# Altium PCB PCB1.PcbDoc
Units mil, origin at the board's own origin, x right, y up, seen from the top; angles counter-clockwise.
Board outline 6000 x 4000 mil, 2 copper layers (Top Layer, Bottom Layer); 21 components, 33 nets, 143 pads, 0 vias.
Unrouted connection lines stored in the file: 3.
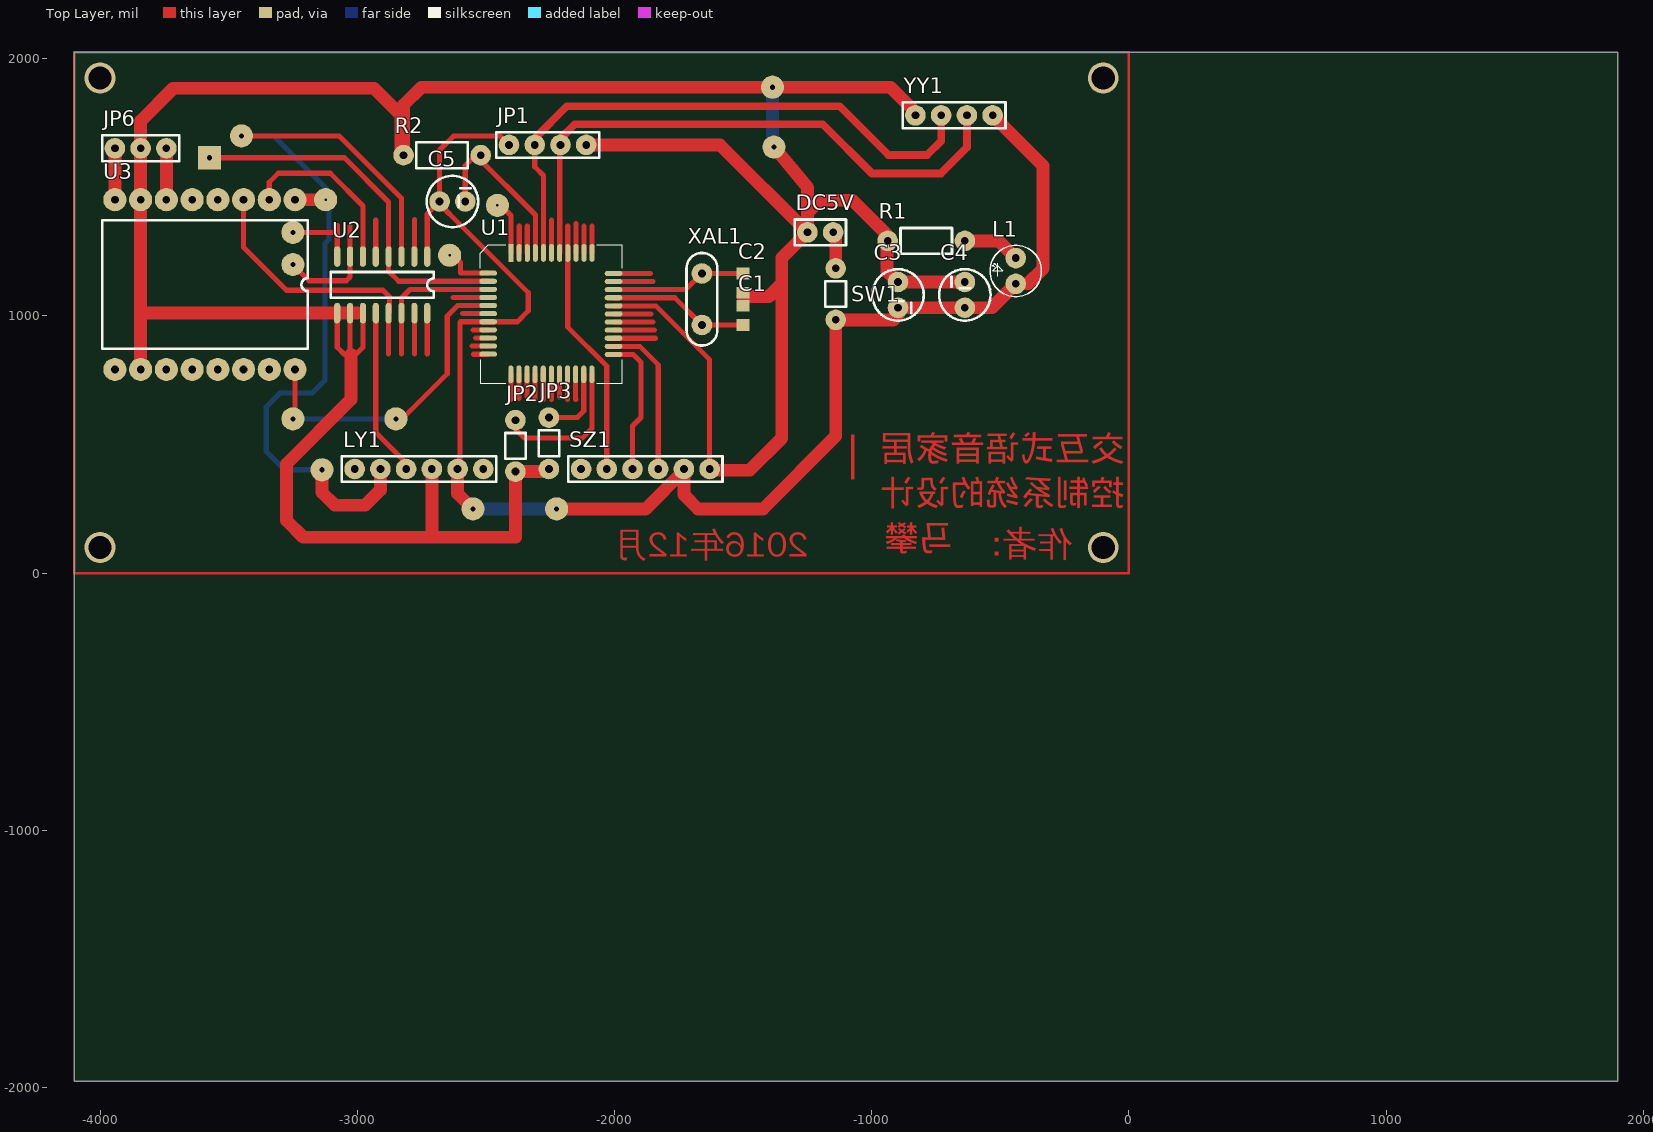
[diagram p0: Top Layer view]
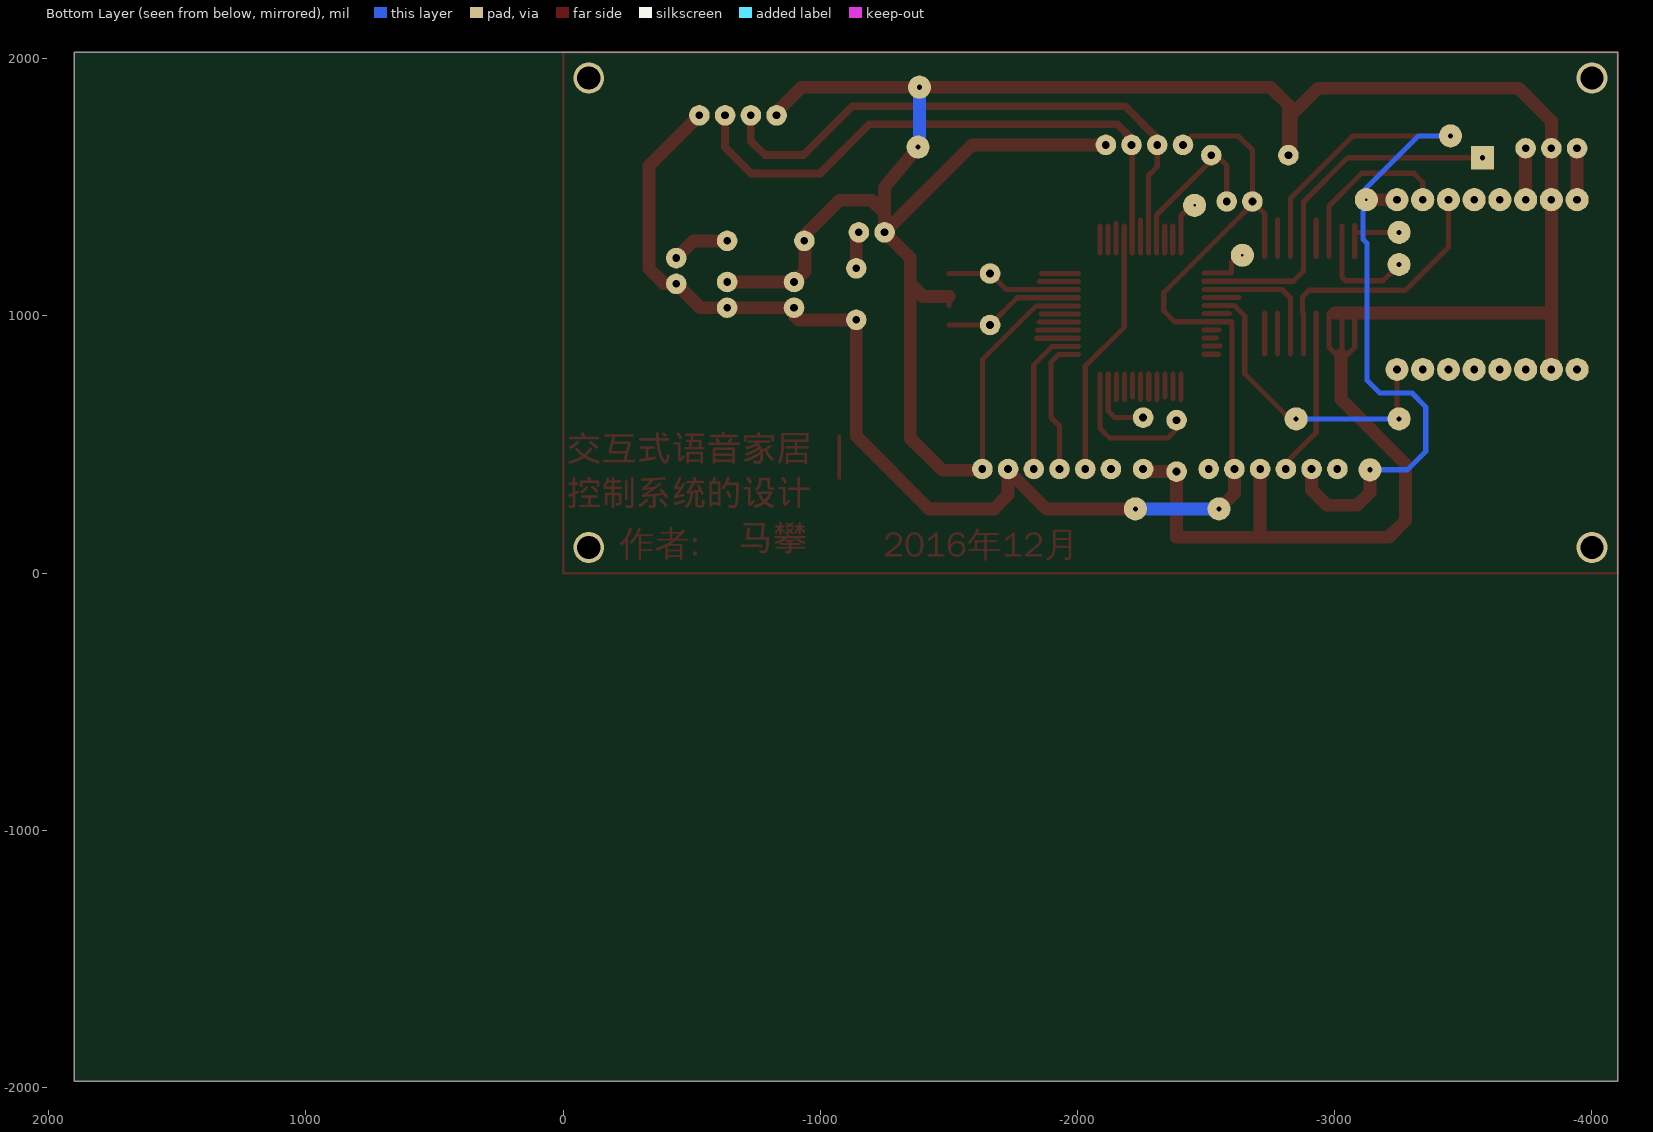
[diagram p1: Bottom Layer view, seen from below]

## Layer stack, top to bottom
Top Layer: signal copper 1.4
Dielectric: dielectric 12.6, FR-4, Dk 4.8
Bottom Layer: signal copper 1.4

## Board outline
-4100,-1975 1900,-1975 1900,2025 -4100,2025

## Design rules (kind name [scope] priority, off if disabled: settings)
Clearance [All] p1: gap=10
PolygonConnect [All] p1: connectstyle=Relief reliefconductorwidth=10 reliefentries=4 polygonreliefangle="90 Angle"
RoomDefinition Sheet1 [InComponentClass('Sheet1')] p1: confinementstyle=ConfineIn formatcopy=TRUE lockcomponents=FALSE outline 1950,-2000 2375,-2000 2375,-1500 1950,-1500
RoutingVias [All] p1: holewidth=28 width=50 viastyle="Through Hole" minholewidth=28 minwidth=50 maxholewidth=28 maxwidth=50
SilkscreenOverComponentPads [All] p1: minsilkscreentomaskgap=10
SolderMaskExpansion [All] p1: expansion=4
TestPointUsage [All] p1: valid=0 allowmultiple=FALSE
Testpoint [All] p1: side=15 testpointundercomponent=TRUE minsize=40 maxsize=100 preferedsize=60 minholesize=0 maxholesize=40 preferedholesize=32 testpointgrid=1 style=1023 order=0-112345678
Width [All] p1: maxlimit=50 minlimit=20 preferedwidth=30
23 further rules are at their usual default settings.

## Components (designator, comment, footprint, x,y, rotation, side; value= is the part's Value field where it differs from the comment)
C1 "CAP" 0805 -1500,965 r90 top
C2 "CAP" 0805 -1500,1165 r270 top
C3 "CAP+" CAP-100mil -898,1132 r270 top
C4 "CAP" CAP-100mil -638,1032 r90 top
C5 "CAP+" CAP-100mil -2680,1445 r0 top
DC5V "SIP-2" SIP-2 -1200,1325 r180 top
JP1 "SIP-4" SIP-4 -2260,1665 r90 top
JP2 "SIP-2" RES-200mil -2385,595 r270 top
JP3 "SIP-2" RES-200mil -2255,605 r270 top
JP6 "SIP-3" SIP-3 -3842,1652 r90 top
L1 "LED" LED -440,1125 r90 top
LY1 "SIP-6" SIP-6 -2760,405 r90 top
R1 "RES" RES-300mil -638,1292 r180 top
R2 "RES" RES-300mil -2520,1625 r180 top
SW1 "SIP-2" RES-200mil -1140,985 r90 top
SZ1 "SIP-6" SIP-6 -1880,405 r90 top
U1 "STC89C52RC" LQFP-44 -2400,1245 r0 top
U2 "CD4052" SO-16 -2900,1245 r270 top
U3 "MP3模块" DIP-16-660mil -3242,1452 r270 top
XAL1 "晶振" 晶振-200mil -1660,1165 r270 top
YY1 "SIP-4" SIP-4 -680,1780 r90 top

## Footprints (in the part's own frame and the unit in brackets; to place one, negate y for a bottom-side part, rotate by r counter-clockwise, add the part's x,y. Pads: shape width x height; smd on the part's side, far side on the other; paste and mask are expansions set on the pad)
0805 [mil]
  rect 45x50 smd: 1(0,0) 2(75,0)
CAP-100mil [mil]
  round 80 hole 30: 1(0,0) 2(100,0)
  silkscreen extent -50,-100 150,100
DIP-16-660mil [mil]
  round 90 hole 30: 1(0,0) 2(0,-100) 3(0,-200) 4(0,-300) 5(0,-400) 6(0,-500) 7(0,-600) 8(0,-700) 9(660,-700) 10(660,-600) 11(660,-500) 12(660,-400) 13(660,-300) 14(660,-200) 15(660,-100) 16(660,0)
  silkscreen extent 80,-750 580,50
LED [mil]
  round 80 hole 30: 1(0,0) 2(100,0)
  silkscreen extent -50,-100 150,100
LQFP-44 [mm]
  rect 0.5x1.75 smd: 1(-0.051,0)
  oval 0.5x1.75 smd: 2(0.749,0) 3(1.549,0) 4(2.349,0) 5(3.149,0) 6(3.949,0) 7(4.749,0) 8(5.549,0) 9(6.349,0) 10(7.149,0) 11(7.949,0) 23(7.924,-11.984) 24(7.124,-11.984) 25(6.324,-11.984) 26(5.524,-11.984) 27(4.724,-11.984) 28(3.924,-11.984) 29(3.124,-11.984) 30(2.324,-11.984) 31(1.524,-11.984) 32(0.724,-11.984) 33(-0.076,-11.984)
  oval 1.75x0.5 smd: 12(10.066,-2.022) 13(10.066,-2.822) 14(10.066,-3.622) 15(10.066,-4.422) 16(10.066,-5.222) 17(10.066,-6.022) 18(10.066,-6.822) 19(10.066,-7.622) 20(10.066,-8.422) 21(10.066,-9.222) 22(10.066,-10.022) 34(-2.318,-9.997) 35(-2.318,-9.197) 36(-2.318,-8.397) 37(-2.318,-7.597) 38(-2.318,-6.797) 39(-2.318,-5.997) 40(-2.318,-5.197) 41(-2.318,-4.397) 42(-2.318,-3.597) 43(-2.318,-2.797) 44(-2.318,-1.997)
  silkscreen extent -3.11,-12.86 10.94,0.79
RES-200mil [mil]
  round 80 hole 30: 1(0,0) 2(200,0)
  silkscreen extent 50,-40 150,40
RES-300mil [mil]
  round 80 hole 30: 1(0,0) 2(300,0)
  silkscreen extent 50,-50 250,50
SIP-2 [mil]
  round 80 hole 30: 1(-50,0) 2(50,0)
  silkscreen extent -100,-50 100,50
SIP-3 [mil]
  round 80 hole 30: 1(0,100) 2(0,0) 3(0,-100)
  silkscreen extent -50,-150 50,150
SIP-4 [mil]
  round 80 hole 30: 1(0,150) 2(0,50) 3(0,-50) 4(0,-150)
  silkscreen extent -50,-200 50,200
SIP-6 [mil]
  round 80 hole 30: 1(0,250) 2(0,150) 3(0,50) 4(0,-50) 5(0,-150) 6(0,-250)
  silkscreen extent -50,-300 50,300
SO-16 [mil]
  oval 80x24 smd: 1(14,172) 2(14,122) 3(14,72) 4(14,22) 5(14,-28) 6(14,-78) 7(14,-128) 8(14,-178) 9(234,-178) 10(234,-128) 11(234,-78) 12(234,-28) 13(234,22) 14(234,72) 15(234,122) 16(234,172)
  silkscreen extent 74,-203 174,197
晶振-200mil [mil]
  round 80 hole 30: 1(0,0) 2(200,0)
  silkscreen extent -80,-60 280,60

## Part data
U2 U3: library part DIP-16

## Free pads (board coordinates)
  rect 90x90 hole 20: 7(-3575,1615)
  round 90 hole 20: 8(-3450,1700) 10(-3250,1200) 11(-2850,600) 12(-3250,600) 13(-3137,402) 14(-2550,250) 15(-2225,250) 18(-3250,1325) 19(-1385.72,1889.28) 20(-1379.99,1656.65)
  round 120 hole 90: 21(-4000,100) 22(-4000,1925) 23(-100,1925) 24(-100,100)
  round 90 hole 10: 25(-3123,1452) 26(-2641,1236) 27(-2455,1430)

## Nets (pads, with @x,y where several pads share a name; then routed paths per layer and width w, separated by ;. In a path a pad name is that pad's centre, name@x,y a point inside that pad or via, vN(x,y) a via of type N, cw(c..) or ccw(c..) an arc to the next point about the centre after c; other vN are vias at no path point)
0X: U2.5 | length 141
  Top Layer w20: U2.5 -2928,1372
0Y: U2.16 | length 158
  Top Layer w20: -2728,853 U2.16
1X: LY1.2 pad.8 pad.13 U2.3 | length 3252.6
  Top Layer w20: pad.8 -3070,1700 -2828,1458 U2.3
  Top Layer w50: pad.13 -3137,314 -3087,264 -2970,264 -2910,324 LY1.2
  Bottom Layer w20: pad.8 -3325,1700 -3110,1485 -3110,1298.08 -3125,1283.08 -3125,750 -3175,700 -3300,700 -3354.04,645.96 -3354.04,473 -3283.04,402 pad.13
1Y: LY1.3 U2.12 | length 654.9
  Top Layer w20: U2.12 -2928,547 -2810,429 LY1.3
2X: U2.2 | length 144
  Top Layer w20: U2.2 -2778,1375
2Y: U2.15 | length 158
  Top Layer w20: -2778,853 U2.15
3X: U2.6 U3.2 | length 696.1
  Top Layer w20: U3.2 -3342,1520 -3307,1555 -3105,1555 -2978,1428 U2.6
3Y: U2.13 U3.3 | length 1054.8
  Top Layer w20: U3.3 -3442,1267 -3275,1100 -2900,1100 -2875,1075 -2875,1014 U2.13 -2878,853
GND: C1.2 C2.2 C3.1 C4.2 DC5V.2 JP1.4 JP2.2 JP3.2 JP6.2 LY1.4 pad.19 pad.20 R1.2 R2.2 SZ1.6 U1.16 U2.9 U2.10 U2.11 U3.7 U3.10 YY1.1 | length 13078.6
  Top Layer w20: JP6.2 JP6.2@-3842,1675 ; -3078,923.05 -3078,950 ; U2.9 -3078,950 ; U2.10 -3028,853 -3025,850 ; U2.11 -2978,947 -2978,878 -3006,850 -3025,850 ; R2.2@-2840,1625 -2830,1635 R2.2 ; LY1.4@-2720,395 LY1.4@-2710,385 ; JP2.2@-2367.5,377.5 JP2.2@-2350,395 ; U1.16 -1839.4,1039.4 -1630,830 SZ1.6 ; C1.2 -1500,1075 C2.2 C2.2@-1485,1090 ; -3078,950 -3078,878 -3050,850 -3025,850
  Top Layer w50: U3.10 -3842,1025 ; U2.9 -3828,1011 -3842,1025 ; U2.9@-3075,1011 U2.10 -3000,1011 ; -3025,850 -3025,675 -3275,425 -3275,205 -3210,140 -2700,140 ; R2.2@-2830,1635 -2830,1780 -2935,1885 -3715,1885 -3842,1758 JP6.2 U3.7 -3842,1050 -3842,1025 ; R2.2 -2820,1820 -2750.72,1889.28 pad.19 ; LY1.4 -2710,385 -2710,150 -2700,140 ; JP3.2 -2265,395 -2350,395 JP2.2 -2385,140 -2700,140 ; JP1.4 -1590,1665 DC5V.2 ; SZ1.6 -1625,400 -1475,400 -1350,525 -1350,1125 ; C2.2@-1500,1075 -1400,1075 -1350,1125 ; pad.20 -1250,1500 -1250,1400 ; pad.19@-1375,1900 pad.19 ; R1.2@-940,1280 -940,1174 C3.1 C4.2 ; R1.2 -938,1313 -1075,1450 -1200,1450 -1250,1400 ; YY1.1@-825,1787 -927.28,1889.28 pad.19 ; -1350,1125 -1350,1225 DC5V.2 ; DC5V.2 -1250,1400
  Bottom Layer w50: pad.19 -1385.72,1664.28 pad.20
NetC1_1: C1.1 U1.15 XAL1.2 | length 547.6
  Top Layer w20: U1.15 -1765.9,1070.9 XAL1.2 C1.1
NetC2_1: C2.1 U1.14 XAL1.1 | length 529.6
  Top Layer w20: U1.14 -1722.61,1102.39 XAL1.1 C2.1
NetDC5V_1: DC5V.1 SW1.2 | length 144.1
  Top Layer w50: DC5V.1 -1140,1315 SW1.2
NetJP6_1: JP6.1 U3.8 | length 200
  Top Layer w50: U3.8 JP6.1
NetJP6_3: JP6.3 U3.6 | length 200
  Top Layer w50: U3.6 JP6.3
NetL1_2: L1.2 R1.1 | length 225.8
  Top Layer w50: R1.1 -507,1292 L1.2
P10: pad.11 pad.12 U1.40 U3.16 | length 1232
  Top Layer w20: pad.12@-3242,608 U3.16 ; pad.11@-2825,600 -2650,775 -2650,1000 -2609.6,1040.4 U1.40
  Bottom Layer w20: pad.12 pad.11
P12: U1.42 U2.14 | length 567.6
  Top Layer w20: -2828,853 U2.14 -2828,1070 -2794.61,1103.39 U1.42
P13: pad.7 U1.43 U2.4 | length 1462.2
  Top Layer w20: pad.7 -3050,1615 -2878,1443 -2878,1375 ; -2878,1397 -2878,1375 ; U1.43 -2838.89,1134.89 -2878,1174 U2.4 -2878,1375
P14: pad.10 U1.44 U2.7 | length 786.2
  Top Layer w20: -3200,1150 pad.10 -3187,1137 -3043,1137 -3028,1152 U2.7 ; -3028,1172 U2.7 ; -3028,1350 U2.7 ; -2638,1247 -2598.5,1207.5 -2598.5,1166.39 U1.44
P15: pad.18 U1.1 U2.8 | length 520.8
  Top Layer w20: pad.18 -3078,1325 ; U2.8 -3078,1325 ; -3078,1352 -3078,1325 ; -2468,1430 -2441.57,1430 -2402,1390.43 -2402,1348 U1.1
P20: U1.18 | length 152.3
  Top Layer w20: U1.18 -1851.41,976.41
P21: U1.19 | length 159.7
  Top Layer w20: U1.19 -1844,944.91
P22: U1.20 | length 237.7
  Top Layer w20: U1.20 -1925,913.42 ; -1850,913.42 -1925,913.42 ; -1841,913.42 -1925,913.42
P23: SZ1.4 U1.21 | length 608.5
  Top Layer w20: U1.21 -1901.92,881.92 -1830,810 SZ1.4
P24: SZ1.3 U1.22 | length 548
  Top Layer w20: U1.22 -1927.42,850.42 -1897,820 -1897,605 -1930,572 SZ1.3
P25: JP2.1 U1.23 | length 573
  Top Layer w20: JP2.1 -2385,560 -2350,525 -2125,525 -2088.04,561.96 U1.23
P26: JP3.1 U1.24 | length 354.9
  Top Layer w20: -2189.07,605.47 -2254.53,605.47 JP3.1 -2145,605 -2119.53,630.47 U1.24
P27: U1.25 | length 98.6
  Top Layer w20: U1.25 -2151.03,676.03 -2150,675
P30: JP1.2 U1.5 YY1.2 | length 2291.5
  Top Layer w20: JP1.2@-2310,1690 -2310,1580 -2276.02,1546.02 U1.5
  Top Layer w30: JP1.2@-2310,1690 -2185,1815 -1125,1815 -936,1626 -784,1626 -730,1680 YY1.2
P31: JP1.3 U1.7 YY1.3 | length 2295
  Top Layer w20: U1.7 -2213.02,1661.98 JP1.3
  Top Layer w30: JP1.3 -2210,1690 -2155,1745 -1190,1745 -999,1554 -731,1554 -630,1655 YY1.3
P32: SZ1.2 U1.8 | length 1006.3
  Top Layer w20: -2181.53,1348.5 U1.8 -2181.53,956.53 -2030,805 SZ1.2
RST: C5.2 R2.1 U1.4 | length 672.9
  Top Layer w20: C5.2 -2580,1585 -2540,1625 -2307.51,1392.51 U1.4
VCC: C3.2 C4.1 C5.1 JP1.1 L1.1 LY1.5 pad.14 pad.15 SW1.1 SZ1.5 U1.38 U2.1 U3.1 YY1.4 | length 6181.2
  Top Layer w20: U2.1 -2728,1397 C5.1@-2705,1420 ; LY1.5 -2600,415 -2600,975 -2597.59,977.41 U1.38 -2377.59,977.41 -2335,1020 -2335,1090 -2597.5,1352.5 -2680,1435 C5.1 -2680,1645 -2625,1700 -2445,1700 JP1.1
  Top Layer w50: U3.1 -3123,1452 ; LY1.5 -2610,310 pad.14 ; pad.15 -1878.93,250 SZ1.5@-1730,398.93 ; SZ1.5 SZ1.5@-1730,398.93 ; YY1.4@-530,1776 YY1.4 -334,1584 -334,1184 -393,1125 L1.1 -533,1032 C4.1 C3.2 -898,1002 -915,985 SW1.1 -1140,533 -1423,250 -1675,250 -1730,305 SZ1.5@-1730,398.93
  Bottom Layer w50: pad.14 pad.15
pads on no net: LY1.1 LY1.6 SZ1.1 U1.2 U1.3 U1.6 U1.9 U1.10 U1.11 U1.12 U1.13 U1.17 U1.26 U1.27 U1.28 U1.29 U1.30 U1.31 U1.32 U1.33 U1.34 U1.35 U1.36 U1.37 U1.39 U1.41 U3.4 U3.5 U3.9 U3.11 U3.12 U3.13 U3.14 U3.15
copper on no net: | length 14577.7
  Top Layer w10: -4100,0 -250,0 -125,0 0,0 0,2025 -4100,2025 -4100,100 -4100,0
  Top Layer w20: -2628.1,1071.9 -2491.26,1071.9 ; -2591.09,1008.91 -2491.26,1008.91 ; -2552.92,882.92 -2491.26,882.92 ; -2550,945.91 -2491.26,945.91 ; -2548.58,851.42 -2491.26,851.42 ; -2539.42,914.42 -2491.26,914.42 ; -2403,675 -2403,773.19 ; -2371.5,678.5 -2371.5,773.19 ; -2370.5,1245 -2370.5,1350 ; -2340.01,684.99 -2340.01,773.19 ; -2339.01,1245 -2339.01,1350 ; -2308.51,675 -2308.51,773.19 ; -2277.02,675 -2277.02,773.19 ; -2245.52,675 -2245.52,773.19 ; -2244.52,1245 -2244.52,1373.5 ; -2214.02,685.98 -2214.02,773.19 ; -2182.53,676.5 -2182.53,773.19 ; -2150.03,1245 -2150.03,1360 ; -2118.53,1245 -2118.53,1350 ; -2087.04,1245 -2087.04,1350 ; -2003.7,1007.91 -1857.91,1007.91 ; -2003.7,1133.89 -1851.5,1133.89 ; -2003.7,1165.39 -1859.61,1165.39

## Other copper
Top Layer:
  rectangle: -1081,364.22 -1067.19,539.21
  text "交互式语音家居" at -15,405 h170
  text "控制系统的设计" at -15,232 h170
  text "马攀" at -679,55 h170
  text "作者:" at -220,35 h170
  text "2016年12月" at -1244,31 h170